# Altium PCB BUCK.PcbDoc (part 3 of 3)
Units mm, origin at the board's own origin, x right, y up, seen from the top; angles counter-clockwise.
Board outline 96.27 x 96.01 mm, 6 copper layers (Top Layer, Mid Layer 1, Mid Layer 2, Mid Layer 3, Mid Layer 4, Bottom Layer), stack 1.509 mm thick; 169 components, 78 nets, 522 pads, 1244 vias.
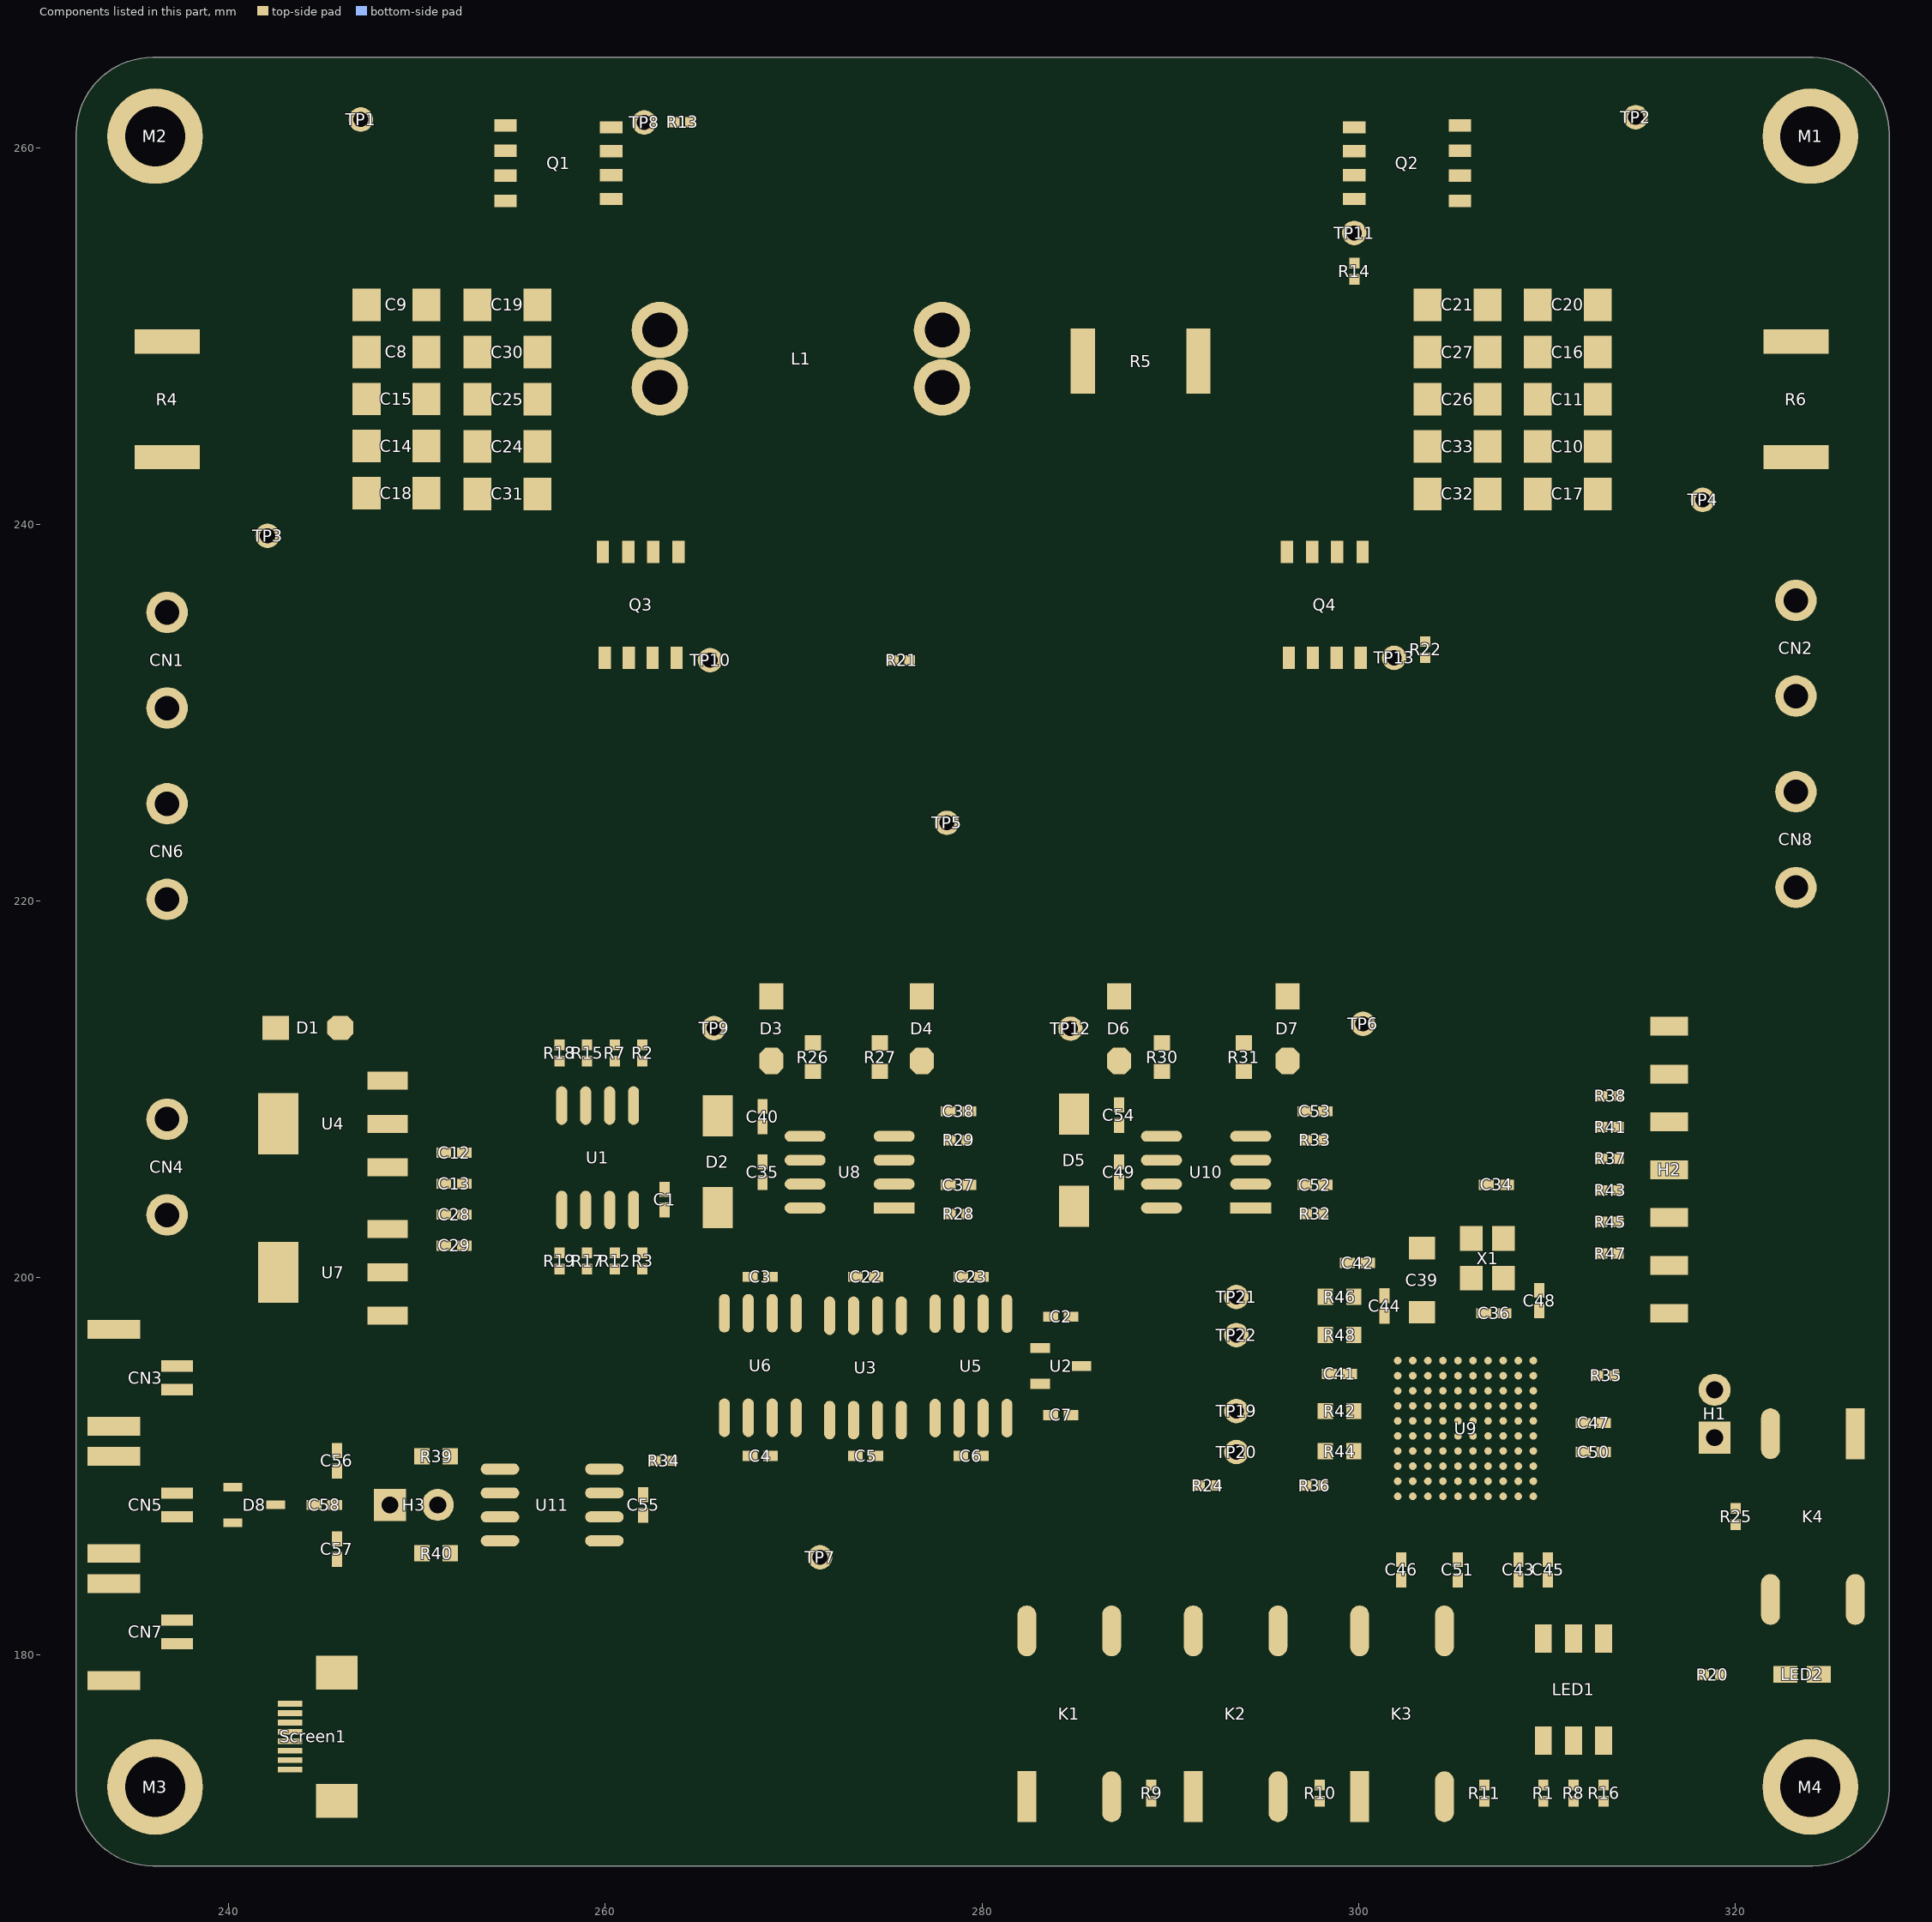
[diagram p7: the components of this part, seen from the top]

## Other copper (continued)
Bottom Layer:
  region net C1P: 232.791,249.047 246.253,249.047 246.253,240.411 248.158,240.411 248.158,253.365 252.349,253.365 252.349,240.411 254.127,240.411 254.127,253.365 259.064,253.365 259.064,263.906 240.284,263.906 240.284,260.604 cw(c236.093,260.604) 236.093,256.413 232.791,256.413
  region net C2P: 327.152,249.047 313.69,249.047 313.69,240.411 311.785,240.411 311.785,253.365 307.594,253.365 307.594,240.411 306.07,240.411 306.07,253.365 300.99,253.365 300.99,263.906 319.659,263.906 319.659,260.604 ccw(c323.85,260.604) 323.85,256.413 327.152,256.413
  pour cut-out: 278.257,196.85 276.733,196.85 276.733,198.374 278.257,198.374
  pour cut-out: 278.257,192.151 276.733,192.151 276.733,193.675 278.257,193.675
  pour cut-out: 272.669,191.77 271.145,191.77 271.145,193.294 272.669,193.294
  pour cut-out: 272.669,197.231 271.145,197.231 271.145,198.755 272.669,198.755
  pour cut-out: 267.081,197.358 265.557,197.358 265.557,198.882 267.081,198.882
  pour cut-out: 267.081,191.77 265.557,191.77 265.557,193.294 267.081,193.294
  pour cut-out: 263.271,194.056 261.747,194.056 261.747,195.58 263.271,195.58
  pour cut-out: 259.761,198.559 258.237,198.559 258.237,200.083 259.761,200.083
  pour cut-out: 259.786,212.971 258.262,212.971 258.262,214.495 259.786,214.495
  region net IL+: 273.304,257.048 266.446,263.906 273.304,263.906
  region net C1N: 299.141,233.493 299.141,230.886 277.241,230.886 277.241,233.493 299.141,233.493
  region net B_HS: 298.577,258.445 298.577,251.206 301.501,248.282 301.493,234.188 290.83,234.188 290.83,250.825 287.147,254.508 287.147,258.445
  region net A_HS: 259.715,260.148 259.715,252.73 257.937,252.73 257.937,234.188 268.989,234.188 268.982,254.512 263.346,260.148
  region net B_HS: 300.355,258.191 300.355,263.906 287.147,263.906 287.147,258.191
  region net IL+: 273.05,234.188 286.004,234.188 286.004,263.906 273.05,263.906
  region net C1N: 232.791,227.203 246.253,227.203 246.253,239.522 249.809,239.522 249.809,252.476 251.206,252.476 251.206,239.522 255.651,239.522 255.651,252.476 257.048,252.476 257.048,233.519 262.851,233.519 262.851,231.648 269.113,231.648 299.212,231.648 309.372,231.648 309.372,234.569 302.895,234.569 302.895,252.476 304.419,252.476 304.419,239.522 308.737,239.522 308.737,252.476 310.261,252.476 310.261,239.522 313.69,239.522 313.69,227.203 327.152,227.203 327.152,216.662 232.791,216.662
  region net Iin+: 232.791,228.219 245.364,228.219 245.364,244.348 232.791,244.348
  region net Iout-: 327.152,228.854 314.579,228.854 314.579,244.348 327.152,244.348

## Silkscreen, mask and mechanical layers (free items; w line width, h text height)
Top Overlay:
  lines w0.254: 249.682,168.872 249.682,182.372 277.632,182.372 277.632,168.872 249.682,168.872
  text "VM2" at 321.691,239.141 h1.52
  text "VM1" at 234.569,238.633 h1.52
  text "GND" at 234.823,215.392 h1.52
  text "GND" at 321.564,215.392 h1.52
  text "GND" at 314.96,214.138 h1.52
  text "12V" at 234.442,211.836 h1.52
  text "5V" at 315.595,211.598 h1.52
  text "DIO" at 315.468,209.058 h1.52
  text "CLK" at 315.595,206.518 h1.52
  text "RX" at 315.722,203.962 h1.52
  text "TX" at 315.595,201.422 h1.52
  text "RST" at 315.722,198.898 h1.52
  text "GND" at 234.061,198.628 h1.52
  text "H" at 238.125,195.961 h1.52
  text "GND" at 314.452,193.691 h1.52
  text "RST" at 322.199,193.675 h1.52
  text "L" at 238.252,191.643 h1.52
  text "PWM" at 314.198,191.135 h1.52
  text "H" at 238.125,189.216 h1.52
  text "L" at 238.252,184.898 h1.52
  text "H" at 238.125,182.47 h1.52
  text "L" at 238.252,178.152 h1.52
  text "<" at 284.125,170.053 h1.52
  text "OK" at 292.1,169.926 h1.52
  text ">" at 302.133,169.926 h1.52
Mechanical 1:
  the board outline again, w0.254